# Altium PCB Einsy_Rambo-bu.PcbDoc (part 5 of 5)
Units mm, origin at the board's own origin, x right, y up, seen from the top; angles counter-clockwise.
Board outline 105 x 71 mm, 6 copper layers (Top, GND, Signal Layer 1, Supply, Signal Layer 2, Bottom), stack 1.571 mm thick; 439 components, 313 nets, 1472 pads, 965 vias.
Unrouted connection lines stored in the file: 3.
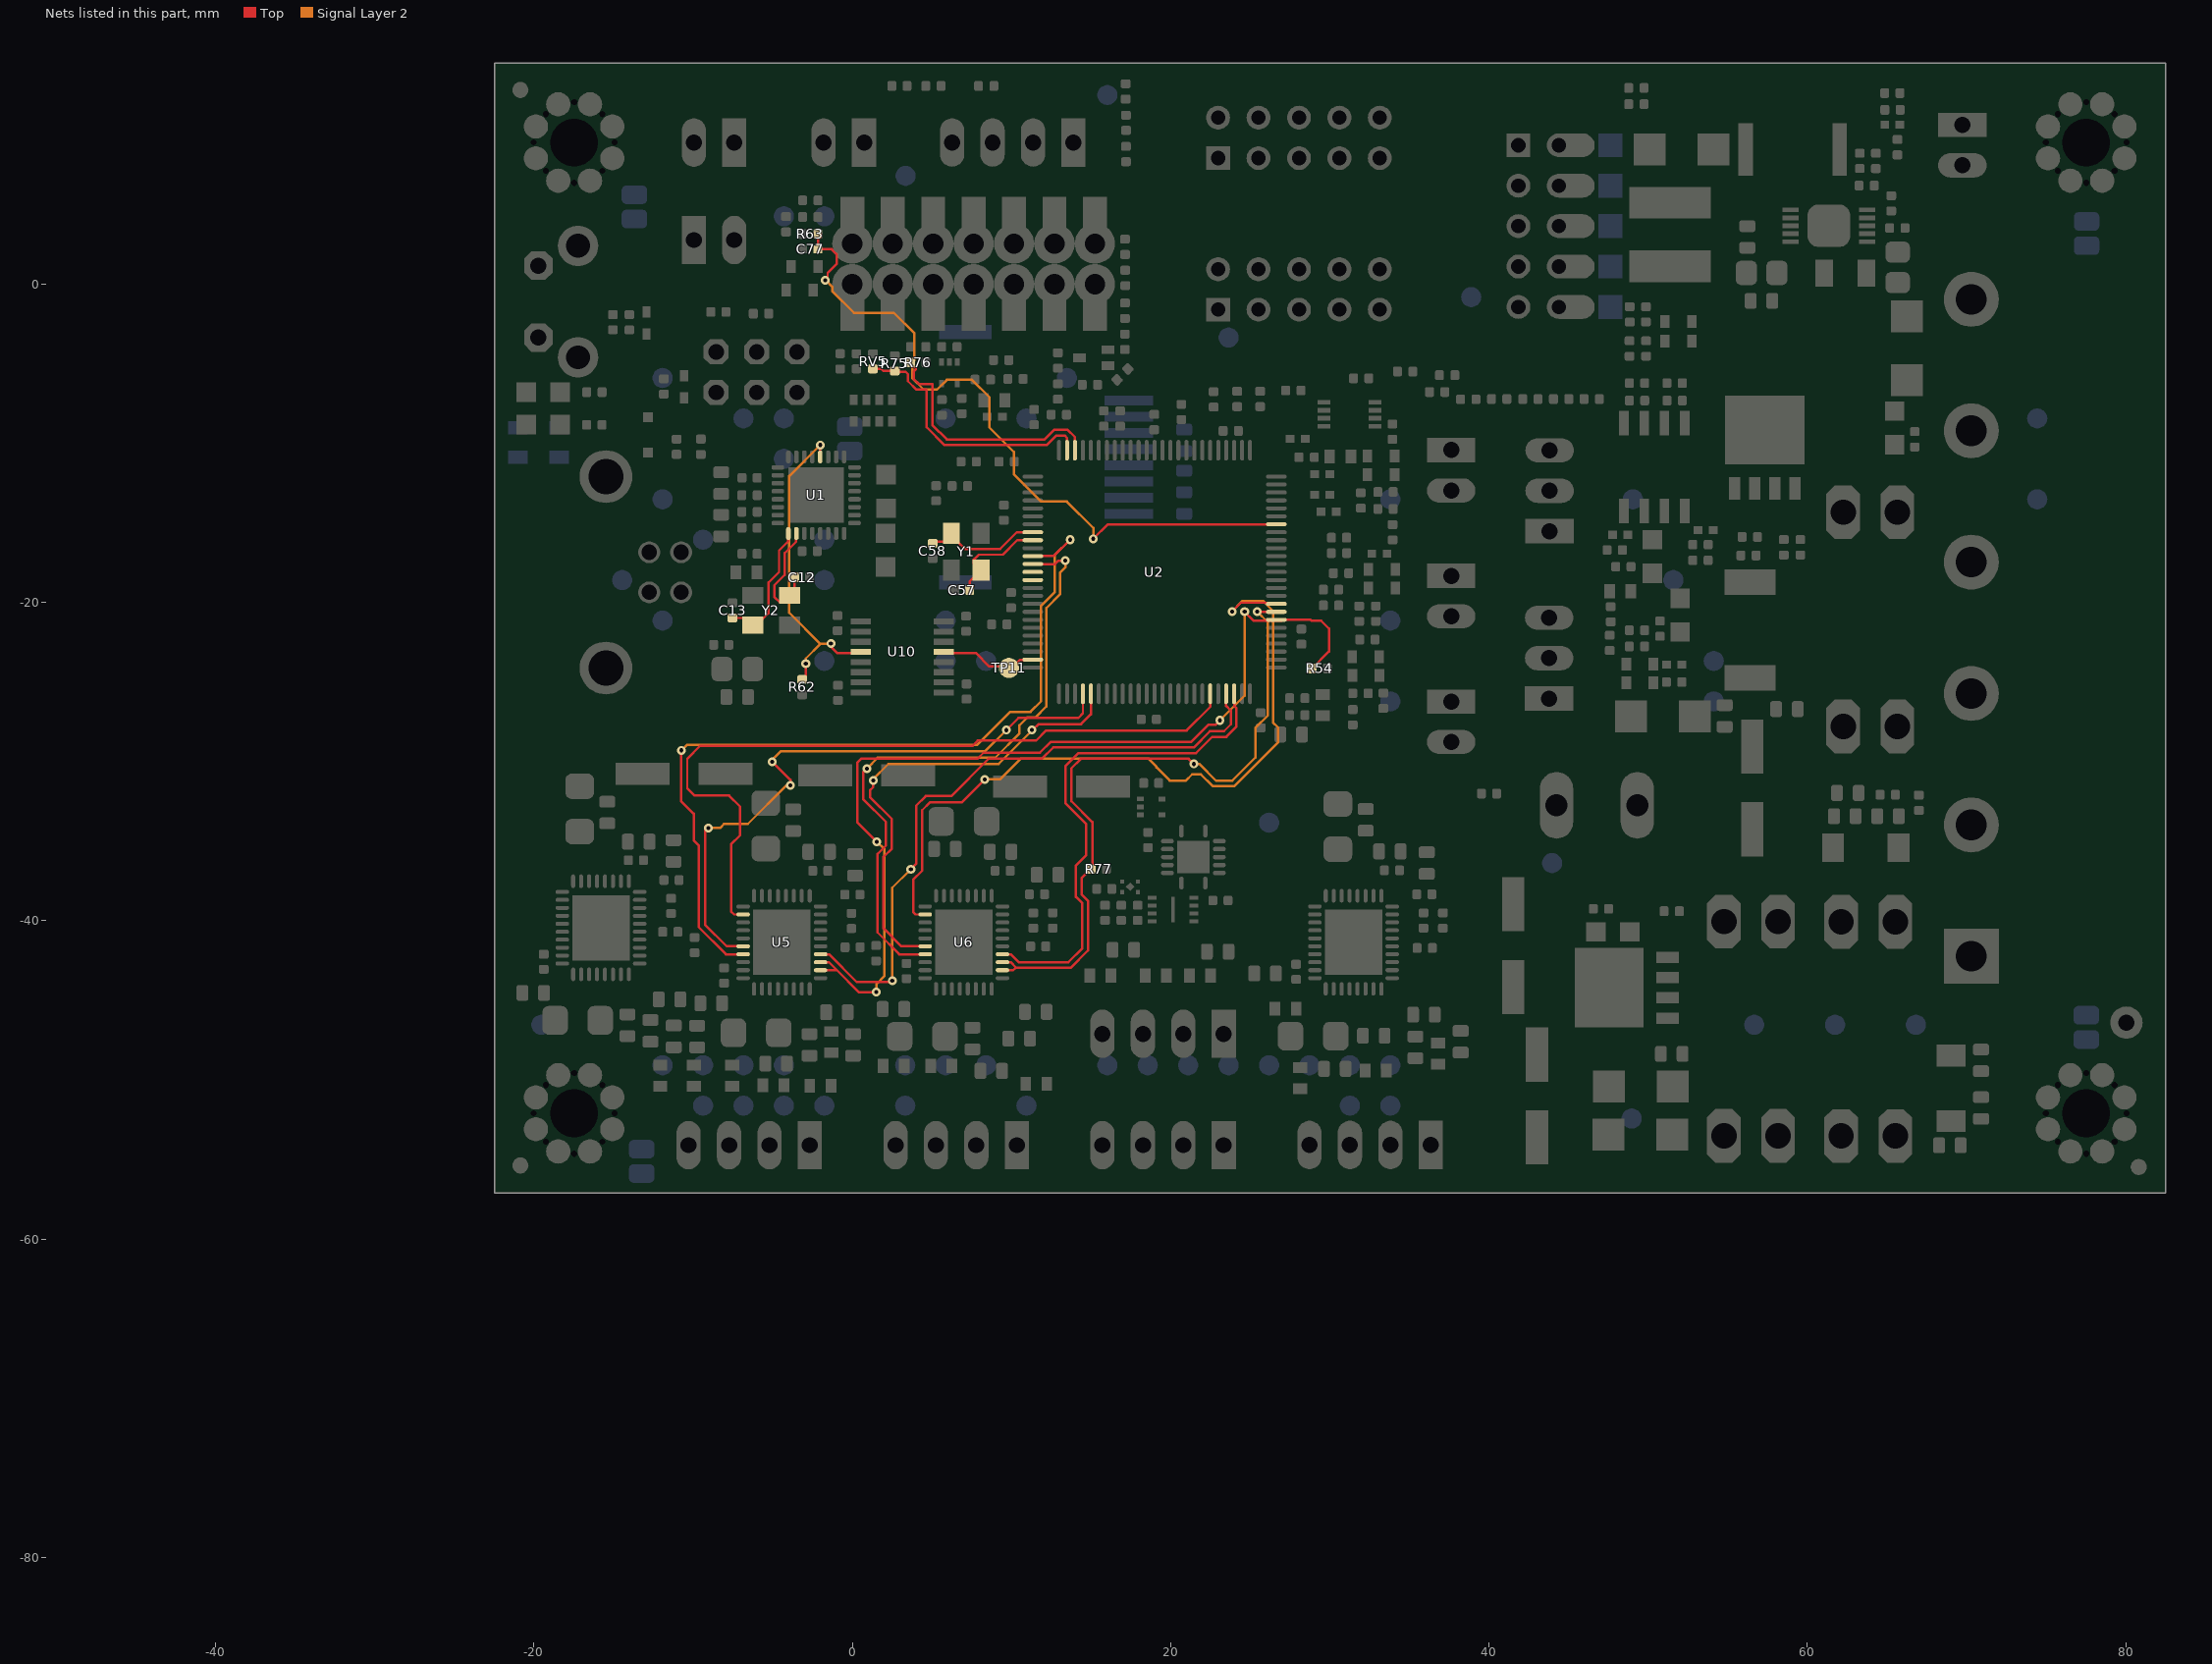
[diagram p9: the nets of this part, all layers, seen from the top]

## Via types
v1: diameter 0.559, hole 0.254, Top to Bottom, tented both sides, 359 vias
v2: diameter 0.559, hole 0.254, Top to Bottom, 326 vias
v3: diameter 0.762, hole 0.381, Top to Bottom, 230 vias
v4: diameter 0.762, hole 0.381, Top to Bottom, tented both sides, 42 vias
v5: diameter 0.737, hole 0.381, Top to Bottom, tented both sides, 4 vias
v6: diameter 0.813, hole 0.381, Top to Bottom, tented both sides, 4 vias

## Nets (pads, with @x,y where several pads share a name; then routed paths per layer and width w, separated by ;. In a path a pad name is that pad's centre, name@x,y a point inside that pad or via, vN(x,y) a via of type N, cw(c..) or ccw(c..) an arc to the next point about the centre after c; other vN are vias at no path point) (continued)
XT1: C13.1 U1.1 Y2.1 | length 8.3
  Top w0.152: C13.1@-7.525,-20.979 -6.712,-20.979 Y2.1@-6.262,-21.429 -6.011,-21.429 -5.264,-20.682 -5.264,-18.755 -4.604,-18.095 -4.604,-16.735 -4.02,-16.151 U1.1@-4.02,-15.665
XT2: C12.1 U1.2 Y2.3 | length 6.3
  Top w0.152: Y2.3@-4.54,-20.009 -4.909,-19.641 -4.909,-18.929 -4.248,-18.269 -4.248,-16.897 -3.537,-16.186 -3.537,-15.665 U1.2@-3.546,-15.674 ; Y2.3@-3.943,-19.564 -3.631,-19.252 C12.1@-3.631,-18.421
XTAL1: C57.1 U2.34 Y1.1 | length 6.3
  Top w0.152: C57.1@7.375,-19.229 7.375,-18.681 Y1.1@8.085,-17.971 7.639,-17.525 7.639,-17.304 7.944,-16.999 9.456,-16.999 10.364,-16.091 U2.34@10.987,-16.091
XTAL2: C58.1 U2.33 Y1.3 | length 6.6
  Top w0.152: C58.1@5.048,-16.295 5.157,-16.186 6.623,-16.186 7.08,-16.643 9.287,-16.643 10.339,-15.591 U2.33@10.987,-15.591
XTRA0: R62.1 U1.20 U10.4 | length 20.4
  Top w0.152: R62.1@-3.15,-24.844 -2.921,-24.615 v1(-2.921,-23.851) ; U1.20@-2.017,-10.852 -2.017,-10.12 v1(-2.007,-10.109) ; v1@-1.448,-22.606 -1.448,-22.682 -0.94,-23.19 0.438,-23.19 U10.4@0.521,-23.107
  Signal Layer 2 w0.152: v1(-2.921,-23.851) -2.921,-23.52 -2.007,-22.606 ; v1(-2.007,-10.109) -3.96,-12.063 -3.96,-20.653 -2.007,-22.606 ; v1@-1.448,-22.606 -2.007,-22.606
  other v1: -1.346,-22.581
XTRA_0: TP11.TP U2.49 U10.13 | length 5.7
  Top w0.152: U10.13@5.737,-23.107 5.802,-23.171 7.755,-23.171 8.606,-24.023 9.553,-24.023 TP11.TP@9.643,-24.113 ; TP11.TP@9.84,-24.12 10.013,-24.12 10.53,-23.603 U2.49@10.987,-23.603
XY-REF-PWM: U2.38
Y-DIR: U2.36 U5.7 | length 53
  Top w0.152: v1(-10.751,-29.293) -10.763,-29.305 -10.763,-32.48 -9.963,-33.28 -9.963,-34.957 -9.655,-35.265 -9.655,-40.396 -7.945,-42.106 U5.7@-6.851,-42.106 ; U2.36@10.987,-17.091 12.649,-17.091 v1(13.68,-16.06)
  Signal Layer 2 w0.152: v1(-10.751,-29.293) -10.725,-29.293 -10.395,-28.962 7.838,-28.962 9.93,-26.87 11.195,-26.87 11.86,-26.205 11.86,-20.215 12.705,-19.37 12.705,-17.034 v1(13.68,-16.06)
Y-EN: U2.72 U5.22 | length 40.8
  Top w0.152: U5.22@-2.001,-42.106 -1.468,-42.106 0.273,-43.847 2.432,-43.847 v1(2.508,-43.771) ; v1(3.677,-36.76) 4.007,-36.43 4.007,-32.772 4.616,-32.163 6.215,-32.163 8.551,-29.826 11.908,-29.826 12.623,-29.111 21.448,-29.111 22.469,-28.09 23.351,-28.09 23.784,-27.657 23.784,-26.797 23.487,-26.5 U2.72@23.487,-25.741
  Signal Layer 2 w0.152: v1(2.508,-43.771) 2.508,-37.929 v1(3.677,-36.76)
Y-STEP: U2.54 U5.6 | length 39.3
  Top w0.152: v1(-9.049,-34.169) -9.249,-34.369 -9.249,-40.243 -7.886,-41.606 U5.6@-6.851,-41.606 ; v1(-5.036,-30.004) -3.886,-31.153 v1(-3.886,-31.496) ; v1(9.671,-28.023) 10.433,-27.261 14.192,-27.261 14.487,-26.965 14.487,-26.092 U2.54@14.446,-26.133
  Signal Layer 2 w0.152: v1@-9.201,-34.068 v1@-9.049,-34.068 ; v1(-9.049,-34.169) -8.312,-34.169 -8.058,-33.915 -6.56,-33.915 -4.14,-31.496 v1(-3.886,-31.496) ; v1(-5.036,-30.004) -5.036,-29.902 -4.477,-29.343 8.35,-29.343 v1(9.671,-28.023)
Y_DIAG: R54.1 U2.82 U5.20 U5.21 | length 61.4
  Top w0.152: U5.20@-2.001,-43.106 -0.976,-43.106 ; U5.21@-2.001,-42.606 -1.476,-42.606 -0.976,-43.106 ; v1@1.416,-44.355 1.518,-44.456 1.518,-44.482 0.4,-44.482 -0.976,-43.106 ; v1(1.543,-35.033) 0.311,-33.801 0.311,-30.067 0.552,-29.826 7.859,-29.826 8.24,-29.445 11.786,-29.445 12.476,-28.755 21.301,-28.755 22.363,-27.692 22.818,-27.692 v1(23.1,-27.41) ; v1(24.652,-20.58) 24.652,-20.6 25.19,-21.139 26.963,-21.139 U2.82@26.988,-21.114 ; U2.82@26.637,-21.091 28.787,-21.091 28.854,-21.158 29.464,-21.158 29.947,-21.641 29.947,-23.078 R54.1@28.876,-24.149
  Signal Layer 2 w0.152: v1(1.543,-35.033) 2.026,-35.516 2.026,-43.466 1.518,-43.974 1.518,-44.482 v1@1.645,-44.482 ; v1(23.1,-27.41) 24.652,-25.858 v1(24.652,-20.58)
  other v1: 1.492,-44.482
Y_MIN: R75.1 RV5.2 U2.24 | length 16.2
  Top w0.152: RV5.2@1.295,-5.334 1.829,-5.334 1.953,-5.458 R75.1@2.667,-5.458 ; R75.1@2.921,-5.512 3.347,-5.512 3.496,-5.661 3.496,-6.099 4.031,-6.634 4.623,-6.634 4.674,-6.685 4.674,-8.996 5.792,-10.114 12.217,-10.114 12.82,-9.512 13.337,-9.512 13.487,-9.662 U2.24@13.487,-10.091
Y_nCS: U2.70 U5.2 | length 48
  Top w0.152: U5.2@-6.851,-39.606 -7.422,-39.606 -7.614,-39.415 -7.614,-35.198 -7.055,-34.639 -7.055,-32.823 -7.747,-32.131 -9.912,-32.131 -10.37,-31.674 -10.37,-29.826 -9.557,-29.013 7.554,-29.013 7.884,-28.683 11.542,-28.683 12.181,-28.044 21.006,-28.044 22.493,-26.557 U2.70@22.493,-26.092
Z-DIR: U2.37 U6.7 | length 40.3
  Top w0.152: v1(0.908,-30.436) 0.692,-30.652 0.692,-32.379 2.102,-33.788 2.102,-35.287 1.581,-35.808 1.581,-40.735 2.952,-42.106 U6.7@4.579,-42.106 ; U2.37@10.987,-17.591 12.734,-17.591 12.948,-17.378 12.95,-17.38 v1(13.38,-17.38)
  Signal Layer 2 w0.152: v1(0.908,-30.436) 1.594,-29.75 8.98,-29.75 10.5,-28.23 10.5,-27.72 10.99,-27.23 11.5,-27.23 12.19,-26.54 12.19,-20.352 13.044,-19.498 13.044,-18.136 13.38,-17.8 v1@13.38,-17.481 ; v1@13.38,-17.481 13.279,-17.38 v1(13.38,-17.38) v1@13.38,-17.481
Z-EN: U2.73 U6.22 | length 31.9
  Top w0.152: U6.22@9.429,-42.106 9.962,-42.106 10.458,-42.602 13.576,-42.602 14.45,-41.728 14.45,-38.9 14.05,-38.5 14.05,-36.525 14.7,-35.875 14.7,-33.925 13.407,-32.632 13.407,-30.268 14.209,-29.466 21.595,-29.466 22.616,-28.446 23.499,-28.446 24.14,-27.804 24.14,-26.65 23.991,-26.501 U2.73@23.991,-25.741
Z-REF-PWM: U2.39
Z-STEP: U2.55 U6.6 | length 29.7
  Top w0.152: v1(1.313,-31.18) 1.313,-31.606 1.111,-31.807 1.111,-32.239 2.483,-33.611 2.483,-35.465 1.962,-35.986 1.962,-40.481 3.087,-41.606 U6.6@4.579,-41.606 ; v1(11.291,-28.02) 11.325,-28.02 11.703,-27.642 14.37,-27.642 14.987,-27.024 U2.55@14.987,-26.092
  Signal Layer 2 w0.152: v1(1.313,-31.18) 1.313,-31.151 1.289,-31.127 2.26,-30.156 9.188,-30.156 11.291,-28.054 v1(11.291,-28.02)
Z_DIAG: R77.1 U2.83 U6.20 U6.21 | length 43.7
  Top w0.152: U6.20@9.429,-43.106 10.107,-43.106 10.255,-42.958 10.306,-42.958 ; U6.21@9.429,-42.606 9.954,-42.606 10.306,-42.958 ; v1(21.45,-30.15) 21.122,-29.822 14.356,-29.822 13.762,-30.416 13.762,-32.484 15.075,-33.797 15.075,-36.65 14.406,-37.319 14.406,-38.353 14.806,-38.753 14.806,-41.876 13.723,-42.958 10.306,-42.958 ; v1(25.439,-20.58) 26.963,-20.58 U2.83@26.988,-20.606
  Signal Layer 2 w0.152: v1(21.45,-30.15) 21.8,-30.15 22.85,-31.2 23.873,-31.2 25.32,-29.753 25.32,-27.89 26.097,-27.113 26.097,-21.238 v1(25.439,-20.58)
Z_MIN: R76.1 U2.23 | length 15.4
  Top w0.152: R76.1@3.66,-4.928 4.001,-5.269 4.001,-5.339 3.851,-5.489 3.851,-5.951 4.179,-6.279 5.011,-6.279 5.029,-6.297 5.029,-8.848 5.94,-9.759 12.07,-9.759 12.673,-9.156 13.531,-9.156 13.987,-9.612 U2.23@13.987,-10.091
Z_nCS: U2.84 U6.2 | length 48.4
  Top w0.152: U6.2@4.579,-39.606 3.983,-39.606 3.826,-39.449 3.826,-37.424 4.388,-36.862 4.388,-33.052 4.87,-32.569 6.877,-32.569 v1(8.325,-31.121) ; v1(23.864,-20.58) 23.864,-20.56 24.403,-20.022 26.029,-20.022 26.105,-20.098 U2.84@26.988,-20.098 ; U2.84@26.988,-20.072 U2.84@27.171,-20.072
  Signal Layer 2 w0.152: v1(8.325,-31.121) 9.279,-31.121 10.6,-29.8 18.579,-29.8 19.108,-30.329 19.108,-30.358 19.945,-31.195 20.955,-31.195 21.35,-30.8 21.9,-30.8 22.63,-31.53 24.01,-31.53 26.76,-28.78 26.76,-27.87 26.427,-27.537 26.427,-20.53 25.807,-19.91 24.515,-19.91 23.864,-20.56 v1(23.864,-20.58)
Z_THERM: C77.1 R63.2 U2.94 | length 44.8
  Top w0.152: R63.2@-2.159,3.15 -2.159,2.192 C77.1@-2.167,2.184 -1.295,2.184 -0.991,1.88 -0.991,1.27 -1.549,0.711 -1.549,0.457 v2@-1.753,0.254 ; v2(15.142,-16) 16.051,-15.091 U2.94@26.988,-15.091
  Signal Layer 2 w0.152: v2(-1.702,0.229) -1.657,0.229 -1.265,-0.163 -1.265,-0.431 0.114,-1.81 2.61,-1.81 3.9,-3.1 3.9,-4.8 3.76,-4.94 3.76,-5.902 4.48,-6.622 5.327,-6.622 5.939,-6.01 7.51,-6.01 8.61,-7.11 8.61,-9.006 10.144,-10.54 10.144,-11.944 11.86,-13.66 13.48,-13.66 15.142,-15.322 v2(15.142,-16)
pads on no net: D16. FID1.1 FID2.1 FID3.1 H1.0 H2.0 H3.0 H4.0 J2. J3. J4. J5. J6. J7. J8. J9. J10. J11. J12. J13. J14. J15. J16. P3. U4. U5. U6. U7. U10. U13.

## Polygon pours and split planes (outlines as drawn)
GND on Top "Top GND large pour" (solid, remove dead copper, pour order 180): -22.227,-56.847 82.269,-56.847 82.269,13.649 -22.227,13.649
GND on Top "XTAL" (solid, pour order 174): 9.823,-19.691 4.566,-19.691 4.566,-14.154 9.823,-14.154
GND on Top "Top-MotorThermal" (solid, pour order 154): -20.579,-34.371 -18.904,-32.696 38.627,-32.696 41.521,-35.59 41.521,-45.699 38.852,-48.368 -16.948,-48.368 -20.579,-44.737
GND on Top "Direct-Connect" (solid, pour order 144): 33.734,-34.439 33.734,-36.871 34.157,-37.294 34.563,-37.294 34.842,-37.014 34.905,-36.951 34.905,-34.869 34.905,-34.766 34.233,-34.093 34.08,-34.093
GND1 on Top "Top-GND1" (solid, remove dead copper, pour order 115): -21.504,-27.026 0.82,-27.026 1.621,-26.224 1.621,-19.774 2.762,-18.633 2.762,-6.814 -2.14,-6.814 -2.165,-3.562 -3.004,-2.724 -9.829,-2.724 -13.054,-5.949 -13.029,-5.974 -13.029,-10.099 -21.504,-10.099
GND1 on Top "Top-CryGND1" (solid, pour order 113): -4.654,-15.299 -4.654,-17.599 -5.604,-18.549 -7.254,-18.549 -8.379,-19.674 -8.379,-23.049 -7.004,-24.424 -3.904,-24.424 -3.429,-23.949 -3.429,-23.199 -3.104,-22.874 -3.104,-19.074 -2.029,-17.999 -2.729,-17.299 -2.729,-15.249
GND on Top "Top-GND-ICoupler" (solid, pour order 109): 3.121,-18.699 1.921,-19.899 1.921,-26.399 0.821,-27.499 0.821,-27.899 1.121,-28.199 7.321,-28.199 8.821,-26.699 8.821,-21.299 7.921,-20.399 5.121,-20.399 3.421,-18.699
PWR-IN on Top "24mil" (solid, pour order 166): 64.484,-36.811 64.484,-34.83 65.068,-34.246 65.068,-33.103 66.542,-33.103 74.187,-40.748 74.187,-44.685 74.187,-47.377 73.069,-48.495 70.606,-48.495 70.606,-49.359 69.894,-50.07 68.472,-50.07 67.812,-49.409 67.812,-39.3 65.729,-37.217 64.941,-37.217 64.865,-37.217 64.484,-36.836
+12V3 on Top "50mil" (solid, pour order 160): 64.179,-12.249 65.17,-11.259 65.17,-10.065 66.643,-8.592 67.837,-8.592 69.285,-7.144 69.539,-6.229 69.793,-5.975 70.987,-5.975 73.425,-5.975 75.609,-8.16 75.609,-13.24 73.857,-14.992 73.501,-15.348 68.32,-15.348 67.227,-16.44 67.227,-18.853 67.227,-19.869 61.563,-25.533 54.146,-25.533 53.791,-25.178 53.791,-22.866 54.426,-22.231 59.557,-22.231 60.065,-21.723 60.065,-13.214 61.03,-12.249
BED-OUT on Top "50mil" (solid, pour order 170): 64.814,-8.312 67.329,-8.312 68.802,-6.839 68.802,-6.179 69.666,-5.315 69.767,-5.213 70.377,-5.213 70.961,-5.213 71.241,-4.934 71.241,2.076 70.504,2.813 68.777,2.813 66.491,0.527 66.491,-2.292 64.814,-3.969
BED-IN on Top "50mil" (solid, pour order 163): 60.016,-28.884 60.016,-24.617 61.54,-23.093 73.173,-23.093 74.951,-24.871 74.951,-29.824 73.603,-31.172 61.187,-31.172 60.016,-30.001
VCC on Top "Direct Connect" (solid, remove dead copper, pour order 98): 55.501,-0.8 56.11,-1.409 56.571,-1.409 56.75,-1.23 56.75,1.081 56.441,1.39 54.63,1.39 53.97,2.05 53.63,2.05 53.53,1.95 53.53,-0.46 53.87,-0.8
VMOT on Top "Direct Connect" (solid, remove dead copper, pour order 99): 63.16,1.05 63.16,2.03 63.43,2.3 64.805,2.3 64.872,2.367 64.872,2.55 65.32,2.55 65.43,2.44 65.43,1.762 64.718,1.05
no net on Top "Direct Connect" (solid, remove dead copper, pour order 184): 63.23,2.26
NetC40_2 on Top "SMPS" (solid, pour order 111): 48.832,4.109 54.082,4.109 54.261,3.93 54.261,3.187 54.426,3.016 55.137,3.016 57.727,3.016 57.727,3.133 54.21,6.65 51.629,6.65 50.387,7.892 50.387,8.909 49.756,9.54 48.79,9.54 48.46,9.21 48.46,4.481
NetC66_1 on Top "Direct-Connect" (solid, pour order 159): -6.661,-37.573 -6.483,-37.395 -6.001,-37.395 -5.696,-37.395 -5.645,-37.344 -5.645,-36.659 -5.975,-36.328 -6.585,-36.328 -7.22,-36.963 -7.22,-37.395 -7.042,-37.573
GND on Top "Direct-Connect" (solid, pour order 146): -1.353,-37.116 -0.997,-36.76 -0.997,-36.379 -0.997,-34.246 -1.099,-34.144 -1.378,-34.144 -1.683,-34.449 -1.683,-34.982 -1.861,-35.16 -1.861,-36.938 -1.683,-37.116
GND on Top "Direct-Connect" (solid, pour order 132): -5.264,-33.865 -3.321,-33.865 -2.336,-32.88 -2.336,-32.068 -2.496,-31.909 -3.537,-31.909 -3.816,-32.188 -4.223,-32.188 -4.655,-31.756 -6.128,-31.756 -6.483,-32.112 -6.483,-33.585 -6.204,-33.865
GND on Top "Direct-Connect" (solid, pour order 128): 10.128,-37.217 10.509,-36.836 10.509,-36.43 10.509,-36.405 11.322,-35.592 11.322,-35.16 10.865,-34.703 10.433,-34.703 10.052,-35.084 9.696,-35.084 9.519,-35.262 9.519,-37.192 9.62,-37.294 10.052,-37.294
VMOT on Top "VMOT-Y" (solid, pour order 103): -2.927,-34.703 -2.927,-32.823 -2.318,-32.214 -2.318,-31.071 -0.006,-31.071 -0.006,-32.391 -1.759,-34.144 -1.759,-34.703
no net on Top "FAN0 Q8 DRN" (solid, pour order 106): 48.177,-13.494 48.177,-15.018 50.082,-15.018 50.057,-15.018 50.057,-13.494
BED-OUT on Top "Direct-Connect" (solid, pour order 157): 54.975,-11.706 64.113,-11.706 64.814,-11.005 64.814,-8.312 66.897,-8.312 66.897,-3.181 54.096,-3.181 53.257,-4.02 53.257,-6.153 53.257,-7.423 53.257,-11.36 54.629,-11.36
no net on Top "FAN1 Q8 DRN" (solid, pour order 107): 50.717,-13.494 50.717,-15.018 52.597,-15.018 52.597,-13.494 51.632,-13.494
NetC115_1 on Top "Direct-Connect" (solid, pour order 153): 3.016,-46.057 5.81,-46.057 5.912,-45.955 5.912,-45.297 5.839,-45.224 3.112,-45.224 3.016,-45.32
NetC114_1 on Top "Direct-Connect" (solid, pour order 152): 7.614,-45.244 7.614,-45.955 7.741,-46.082 8.96,-46.082 8.96,-45.472 8.731,-45.244
NetC119_2 on Top "Direct-Connect" (solid, pour order 147): 31.032,-44.99 31.591,-44.99 31.947,-45.345 31.947,-46.082 32.211,-46.346 32.502,-46.346 32.455,-46.59 32.455,-47.047 32.455,-47.708 31.363,-47.936 31.022,-48.241 29.576,-48.241 29.53,-48.194 29.432,-48.097 29.432,-46.514 29.839,-46.107 29.889,-46.107 30.397,-46.107 30.499,-46.006 30.499,-45.447 30.956,-44.99
NetC116_2 on Top "Direct-Connect" (solid, pour order 143): 6.547,-44.99 7.106,-44.99 7.461,-45.345 7.461,-46.082 7.726,-46.346 8.017,-46.346 8.222,-46.551 8.222,-47.051 8.222,-47.199 8.017,-47.404 7.143,-47.404 6.912,-47.635 6.912,-47.85 6.394,-48.368 5.218,-48.368 5.044,-48.194 4.947,-48.097 4.947,-46.514 5.353,-46.107 5.404,-46.107 5.912,-46.107 6.013,-46.006 6.013,-45.447 6.471,-44.99
X_0B2 on Top "Direct-Connect" (solid, pour order 135): -15.17,-44.736 -15.17,-45.041 -15.043,-45.168 -13.799,-45.168 -13.316,-45.65 -13.316,-46.631 -13.214,-46.733 -12.166,-46.733 -12.166,-46.558 -12.166,-45.988 -12.224,-45.752 -12.402,-45.752 -13.418,-44.736
NetC102_2 on Top "Direct Connect" (solid, pour order 123): -16.135,-43.847 -15.983,-43.847 -15.653,-44.177 -15.323,-44.507 -15.323,-45.193 -14.992,-45.523 -13.799,-45.523 -13.672,-45.65 -13.672,-46.184 -13.9,-46.412 -14.535,-46.412 -14.865,-46.742 -14.865,-47.174 -15.069,-47.377 -16.44,-47.377 -16.72,-47.098 -16.72,-44.431
GND on Top "Direct-Connect" (solid, pour order 156): 53.715,-12.427 53.715,-11.69 54.527,-11.69 54.934,-12.097 58.312,-12.097 58.464,-12.249 58.464,-13.519 58.845,-13.9 58.845,-14.535 58.363,-15.018 55.239,-15.018 54.654,-14.434 53.74,-14.434 53.74,-13.748
VMOT on Top "VMOT-Z" (solid, pour order 102): 9.95,-34.525 9.95,-31.96 12.211,-31.96 12.211,-34.779 9.976,-34.779
NetC87_1 on Top "24mil" (solid, pour order 164): 52.673,-41.231 54.324,-42.882 58.591,-42.882 59.734,-41.739 59.938,-41.535 59.938,-37.954 61.893,-35.998 61.893,-32.391 61.462,-32.391 56.864,-36.989 53.334,-36.989 52.673,-37.649
GND on Top "Direct Connect" (solid, pour order 121): -15.582,-33.083 -14.916,-32.417 -14.916,-32.112 -14.916,-31.782 -15.323,-31.375 -15.932,-30.766 -16.77,-30.766 -17.837,-30.766 -18.599,-31.528 -18.599,-33.083
GND on Top "SMPS" (solid, pour order 112): 58.24,4.69 59.233,5.683 61.182,5.683 62.452,6.953 62.452,10.077 58.517,10.077 57.94,9.5 57.94,4.69
GND on Top "Direct-Connect" (solid, pour order 124): 17.443,-31.68 17.443,-30.664 17.697,-30.41 17.697,-30.055 17.469,-29.826 16.097,-29.826 15.97,-29.953 15.97,-30.867 16.58,-31.477
VMOT on Top "Direct-Connect" (solid, pour order 125): 9.366,-31.858 9.366,-32.925 10.103,-33.661 10.225,-33.784 10.225,-34.403 11.063,-34.403 11.618,-34.957 12.236,-34.957 12.643,-34.957 12.795,-34.804 12.795,-32.366 12.033,-31.604
GND on Top "Direct-Connect" (solid, pour order 133): -6.89,-31.426 -5.899,-31.426 -5.594,-31.121 -5.594,-30.029 -5.772,-29.851 -6.89,-29.851 -7.22,-30.182
GND on Top "Direct-Connect" (solid, pour order 140): -8.668,-46.209 -8.668,-47.32 -8.668,-47.955 -8.668,-48.19 -7.271,-48.19 -6.712,-48.19 -6.28,-47.758 -6.28,-46.59 -6.661,-46.209
GND on Top "Direct-Connect" (solid, pour order 142): 1.467,-48.317 4.108,-48.317 4.413,-48.012 4.413,-46.565 4.134,-46.285 4.007,-46.158 2.584,-46.158 1.899,-46.158 0.908,-47.149 0.781,-47.276 0.781,-48.114 0.883,-48.114 1.086,-48.317
GND on Top "Direct-Connect" (solid, pour order 149): 27.781,-48.089 26.537,-48.089 26.105,-47.657 26.105,-46.793 26.308,-46.59 27.756,-46.59 27.781,-46.615
GND on Top "Direct-Connect" (solid, pour order 155): 5.023,-31.579 6.064,-31.579 6.496,-31.147 6.496,-30.791 6.14,-30.436 5.886,-30.182 4.997,-30.182
VMOT on Top "VMOT-X" (solid, pour order 104): -14.611,-34.271 -14.611,-31.223 -11.64,-31.223 -13.214,-32.798 -13.214,-34.271
NetC99_2 on Top "Direct Connect" (solid, pour order 118): -16.135,-36.989 -15.577,-36.43 -15.551,-36.405 -15.551,-36.125 -15.551,-35.617 -15.678,-35.49 -16.923,-35.49 -16.999,-35.566 -16.999,-36.125 -16.745,-36.379
X_0A1 on Top "Direct Connect" (solid, pour order 119): -18.269,-36.582 -16.72,-36.582 -17.126,-36.176 -17.126,-35.516 -17.151,-35.49 -18.32,-35.49 -18.371,-35.541 -18.371,-36.481
X_0A2 on Top "Direct Connect" (solid, pour order 120): -15.145,-36.633 -14.916,-36.405 -14.916,-36.049 -14.916,-35.363 -14.789,-35.236 -14.789,-34.779 -14.992,-34.576 -15.881,-34.576 -15.983,-34.677 -15.983,-35.185 -15.907,-35.262 -15.602,-35.262 -15.399,-35.465 -15.399,-36.633
NetC99_2 on Top "Direct Connect" (solid, pour order 122): -15.932,-35.516 -16.237,-35.211 -16.237,-34.83 -16.237,-34.525 -16.059,-34.347 -15.475,-34.347 -14.942,-34.347 -14.84,-34.246 -14.84,-33.407 -14.942,-33.306 -14.967,-33.331 -17.38,-33.331 -17.812,-33.331 -18.294,-33.814 -18.294,-34.931 -18.015,-35.211 -17.075,-35.211 -16.999,-35.287 -16.999,-35.648 -16.725,-35.922 -16.186,-35.922 -15.932,-35.668
NetC113_2 on Top "Direct-Connect" (solid, pour order 126): 6.725,-37.751 6.979,-37.751 7.309,-37.421 7.36,-37.37 7.36,-36.582 7.233,-36.455 6.826,-36.455 6.064,-36.455 5.886,-36.633 5.886,-37.421 6.14,-37.675 6.217,-37.751 6.394,-37.751
NetC112_1 on Top "Direct-Connect" (solid, pour order 129): 4.769,-37.573 4.947,-37.395 5.429,-37.395 5.734,-37.395 5.785,-37.344 5.785,-36.659 5.455,-36.328 4.845,-36.328 4.21,-36.963 4.21,-37.395 4.388,-37.573
NetC71_2 on Top "Direct-Connect" (solid, pour order 130): -4.705,-37.751 -4.451,-37.751 -4.121,-37.421 -4.07,-37.37 -4.07,-36.582 -4.197,-36.455 -4.604,-36.455 -5.366,-36.455 -5.544,-36.633 -5.544,-37.421 -5.29,-37.675 -5.213,-37.751 -5.036,-37.751
X_0B1 on Top "Direct-Connect" (solid, pour order 134): -17.786,-44.888 -17.558,-45.117 -16.948,-45.117 -16.847,-45.015 -16.847,-44.99 -16.847,-44.304 -16.948,-44.202 -17.532,-44.202 -17.786,-44.456
NetC107_1 on Top "Direct-Connect" (solid, pour order 139): -5.53,-45.117 -5.53,-46.009 -5.623,-46.103 -6.641,-46.103 -6.864,-45.879 -6.864,-45.422 -6.788,-45.345 -6.128,-45.345 -6.052,-45.269 -5.964,-45.182 -5.964,-45.12
NetC113_2 on Top "Direct-Connect" (solid, pour order 141): 5.074,-35.947 5.201,-35.947 6.064,-36.811 6.318,-36.557 6.496,-36.557 5.632,-35.693 5.353,-35.414
NetC82_2 on Top "Direct-Connect" (solid, pour order 145): 31.21,-37.751 31.464,-37.751 31.794,-37.421 31.845,-37.37 31.845,-36.582 31.718,-36.455 31.312,-36.455 30.55,-36.455 30.372,-36.633 30.372,-37.421 30.626,-37.675 30.702,-37.751 30.88,-37.751
NetC117_1 on Top "Direct-Connect" (solid, pour order 148): 32.15,-45.32 32.15,-45.955 32.226,-46.031 32.633,-46.031 32.887,-46.285 33.014,-46.412 33.344,-46.412 33.471,-46.285 33.471,-46.158 33.471,-45.523 33.268,-45.32
NetC80_1 on Top "Direct-Connect" (solid, pour order 151): 30.245,-36.76 30.245,-36.684 30.067,-36.506 29.178,-36.506 28.848,-36.836 28.823,-36.862 28.823,-37.294 28.899,-37.37 29.051,-37.37 30.245,-37.37
NetC108_2 on Top "Direct Connect" (solid, pour order 137): -4.772,-44.761 -4.62,-44.761 -4.289,-45.091 -4.02,-45.361 -4.02,-46.047 -3.629,-46.438 -2.435,-46.438 -2.308,-46.565 -2.308,-47.098 -2.537,-47.327 -3.172,-47.327 -3.502,-47.657 -3.502,-48.089 -3.705,-48.292 -5.077,-48.292 -5.356,-48.012 -5.356,-45.345
NetC106_1 on Top "Direct-Connect" (solid, pour order 138): -3.867,-45.269 -3.867,-45.98 -3.689,-46.158 -2.775,-46.158 -2.724,-46.107 -3.334,-45.498 -3.334,-45.32 -3.385,-45.269
NetD9_A on Top "SMPS" (solid, pour order 110): 57.804,3.67 57.804,7.588 57.804,8.833 56.559,10.077 53.689,10.077 53.08,9.468 53.08,7.207 53.384,6.902 54.108,6.902 57.34,3.67
NetC75_1 on Top "Direct-Connect" (solid, pour order 127): 7.461,-37.522 7.893,-37.522 8.045,-37.37 8.096,-37.319 8.096,-36.227 8.096,-35.265 7.67,-34.84 7.299,-34.84 6.979,-35.16 6.979,-35.922 7.461,-36.405
NetC65_1 on Top "Direct-Connect" (solid, pour order 131): -3.969,-37.522 -3.537,-37.522 -3.385,-37.37 -3.334,-37.319 -3.334,-36.227 -3.334,-35.265 -3.76,-34.84 -4.131,-34.84 -4.451,-35.16 -4.451,-35.922 -3.969,-36.405
NetC78_1 on Top "Direct-Connect" (solid, pour order 150): 31.947,-37.522 32.379,-37.522 32.531,-37.37 32.582,-37.319 32.582,-36.227 32.582,-35.265 32.156,-34.84 31.785,-34.84 31.464,-35.16 31.464,-35.922 31.947,-36.405
NetC85_1 on Top "24mil" (solid, pour order 136): 70.987,-53.27 70.987,-50.756 68.548,-50.756 67.075,-49.282 67.075,-41.586 67.354,-41.307 67.354,-40.088 64.941,-37.675 62.046,-37.675 61.741,-37.979 61.741,-48.774 63.468,-50.502 65.424,-50.502 68.193,-53.27
VCC on Supply "Power" (solid, remove dead copper, pour order 117): 1.93,-6.655 0.559,-6.655 -0.711,-6.655 -0.711,-3.835 -1.981,-2.565 -9.855,-2.565 -11.684,-4.42 -11.684,-8.89 -21.292,-8.89 -21.292,3.626 -20.428,4.489 -15.754,4.489 -15.704,4.439 -12.986,7.156 -12.986,10.408 -10.446,12.948 23.387,12.948 81.568,12.948 81.568,0.593 81.568,-6.585 81.568,-11.69 81.568,-29.343 81.568,-32.01 81.568,-34.474 81.568,-35.592 81.568,-36.379 81.568,-36.887 81.568,-37.217 81.568,-37.757 81.568,-38.31 81.567,-47.189 81.57,-55.632 67.38,-55.632 67.38,-51.075 63.494,-47.189 44.917,-47.189 43.937,-46.209 -16.923,-46.209 -21.495,-41.637 -21.495,-28.81 -19.844,-27.159 2.407,-27.159 4.286,-25.279 4.286,-20.974 3.55,-20.237 3.55,-8.274
VMOT on Supply "Power" (solid, remove dead copper, pour order 116): -11.481,-34.036 -11.278,-34.138 -11.176,-34.373 -11.176,-35.903 -10.058,-37.084 -10.058,-39.573 -10.446,-40.037 -10.446,-44.507 -9.938,-45.015 -9.277,-45.015 -8.312,-44.05 -8.312,-38.233 -4.985,-34.906 -3.588,-34.906 -3.003,-34.322 -1.023,-34.322 -0.895,-34.449 -0.705,-34.449 1.306,-36.46 1.321,-40.284 1.01,-40.799 1.01,-44.736 1.391,-45.117 2.762,-45.117 3.975,-43.904 3.975,-36.462 5.353,-35.084 10.389,-35.084 11.108,-34.525 13.252,-34.525 13.252,-39.91 14.218,-40.875 23.717,-40.875 29.381,-35.211 32.379,-35.211 33.268,-34.322 33.268,-34.119 33.572,-33.814 34.157,-33.814 34.868,-34.525 36.163,-34.525 37.535,-35.897 37.535,-39.834 41.523,-43.821 44.952,-47.25 63.544,-47.25 67.38,-51.086 67.38,-55.15 66.897,-55.632 46.78,-55.632 -12.275,-55.632 -13.748,-54.159 -13.748,-50.476 -15.704,-48.52 -19.742,-48.52 -21.012,-47.25 -21.012,-43.313 -20.276,-42.577 -20.276,-36.532 -18.142,-34.398 -14.764,-34.398 -14.611,-34.246 -14.611,-33.687 -13.976,-33.052 -13.57,-33.052 -13.316,-33.306 -13.316,-34.036
NetD6_A on Supply "Extruder NetD6_A" (solid, pour order 105): 45.027,-47.069 45.027,-41.885 49.352,-41.885 49.352,-47.071
USBVCC on Supply "Top-USBVCC" (solid, remove dead copper, pour order 108): 3.067,-8.128 1.854,-6.915 -0.997,-6.915 -0.997,-3.893 -1.657,-3.232 -2.038,-2.851 -9.633,-2.851 -11.411,-4.629 -11.405,-8.992 -21.006,-8.992 -21.006,-27.254 2.261,-27.254 4.591,-24.924 4.591,-20.631 3.067,-19.107
GND on Bottom "BOT GND large pour" (solid, remove dead copper, pour order 181): -22.227,-56.847 82.269,-56.847 82.269,13.649 -22.227,13.649
+12V2 on Bottom "Direct Connect" (solid, pour order 169): 47.803,-29.921 46.025,-31.699 46.025,-34.874 44.806,-36.093 43.104,-36.093 41.885,-37.135 41.885,-40.824 43.707,-40.824 46.958,-44.304 52.8,-50.146 52.8,-53.524 53.384,-54.108 59.506,-54.108 59.938,-53.677 59.938,-49.079 55.494,-41.995 54.101,-41.995 53.283,-41.078 53.283,-37.675 52.165,-37.675 52.165,-29.921
NetD6_A on Bottom "Extruder HeatSink Bot" (solid, pour order 100): 49.352,-41.986 40.481,-41.986 40.481,-56.826 47.923,-56.826 47.923,-51.111 47.949,-51.137 49.352,-51.137
BED-OUT on Bottom "BedOut Bottom Heatsink" (solid, pour order 179): 61.03,-16.84 61.03,-12.503 68.476,-12.503 68.476,-0.133 51.562,-0.133 51.562,-6.172 45.739,-6.172 45.739,-16.84
GND1 on Bottom "Top-GND1" (solid, pour order 114): 3.071,-8.67 3.057,-8.67 0.991,-6.649 -2.14,-6.649 -2.14,-3.639 -3.054,-2.724 -9.829,-2.724 -13.054,-5.949 -13.029,-5.974 -13.029,-10.099 -21.504,-10.099 -21.504,-26.949 0.896,-26.949 1.621,-26.224 1.621,-19.774 3.071,-18.324
NetC87_1 on Bottom "Direct Connect" (solid, pour order 165): 53.689,-41.815 55.645,-42.069 56.051,-42.907 58.566,-42.907 59.938,-41.535 59.938,-38.665 61.233,-37.37 61.544,-37.059 61.544,-33.985 60.909,-33.35 59.487,-33.35 55.848,-36.989 53.689,-36.989
GND on Bottom "Direct Connect" (solid, pour order 173): 69.367,-36.373 71.679,-36.373 73.527,-34.525 74.136,-33.915 74.136,-31.401 68.497,-31.401 67.812,-32.087 67.634,-32.264 67.634,-33.687 67.634,-34.639
GND on Bottom "Direct Connect" (solid, pour order 172): 66.415,-18.244 67.862,-16.796 72.942,-16.796 72.942,-18.777 71.393,-20.326 67.989,-20.326 66.415,-18.752
PWR-IN on Bottom "Direct Connect" (solid, pour order 167): 66.624,-37.122 66.624,-34.569 66.878,-34.315 67.234,-34.315 69.647,-36.728 72.479,-36.728 74.187,-38.437 74.187,-44.685 74.187,-47.377 73.069,-48.495 70.606,-48.495 70.606,-49.359 69.894,-50.07 68.472,-50.07 67.812,-49.409 67.812,-42.272 67.812,-38.31
BED-IN on Bottom "Direct Connect" (solid, pour order 162): 59.988,-28.912 59.988,-24.644 61.512,-23.12 73.146,-23.12 74.924,-24.898 74.924,-29.521 73.4,-31.045 68.37,-31.046 67.888,-31.528 61.487,-31.528 59.988,-30.029
+12V3 on Bottom "Direct Connect" (solid, pour order 161): 60.039,-13.341 61.157,-12.224 61.639,-11.741 64.789,-11.741 67.227,-11.741 68.015,-10.954 68.015,-7.957 69.082,-6.89 70.021,-5.95 71.876,-5.95 75.584,-9.658 75.584,-12.122 72.282,-15.424 68.98,-15.424 68.066,-16.339 66.491,-17.913 61.055,-17.913 60.039,-16.897
BED-OUT on Bottom "Direct Connect" (solid, pour order 171): 67.38,0.298 67.38,-2.267 66.211,-3.435 66.211,-7.449 66.897,-8.134 69.92,-5.112 71.799,-5.112 73.247,-3.664 73.247,-1.911 73.247,0.679 71.825,2.102 69.056,2.102 67.354,0.4
NetC85_1 on Bottom "Direct Connect" (solid, pour order 175): 71.114,-53.092 71.825,-52.381 71.825,-51.594 70.987,-50.756 68.548,-50.756 65.881,-48.089 65.881,-38.614 64.941,-37.675 62.046,-37.675 61.741,-37.979 61.741,-45.168 62.655,-46.082 62.655,-47.733 65.424,-50.502 68.015,-53.092
GND on Signal Layer 1 "BOT GND large pour" (solid, remove dead copper, pour order 183): -22.227,-56.847 82.269,-56.847 82.269,13.649 -22.227,13.649
GND1 on Signal Layer 1 "Top-GND1" (solid, pour order 178): -21.504,-27.574 0.271,-27.574 1.621,-26.224 1.621,-19.774 3.071,-18.324 3.071,-6.649 -2.14,-6.649 -2.14,-3.639 -3.054,-2.724 -9.829,-2.724 -13.054,-5.949 -13.029,-5.974 -13.029,-10.099 -21.504,-10.099
uC_Vcc on Signal Layer 1 "uC Vcc" (solid, pour order 176): 9.021,-13.158 11.141,-15.278 11.141,-22.21 11.411,-22.48 11.411,-24.932 12.551,-26.072 12.551,-28.765 18.681,-28.765 23.361,-24.15 30.215,-24.15 30.215,-11.55 25.829,-11.55 22.029,-7.75 21.081,-7.75 20.551,-7.22 12.531,-7.193 12.174,-7.538 11.401,-7.538 11.051,-7.189 9.021,-7.182
NetD6_A on Signal Layer 1 "NetD6_A" (solid, remove dead copper, pour order 101): 45.592,-43.616 45.592,-46.405 45.898,-46.711 49.189,-46.711 49.682,-46.217 49.682,-38.252 46.634,-35.204 46.634,-30.023 46.05,-29.439 44.171,-29.439 43.205,-30.404 43.205,-34.976 44.298,-36.068 44.298,-42.224 45.455,-43.381
GND on Signal Layer 2 "SIG2 GND large pour" (solid, remove dead copper, pour order 182): -22.227,-56.847 82.269,-56.847 82.269,13.649 -22.227,13.649
GND1 on Signal Layer 2 "Sig2-GND1" (solid, pour order 177): 3.071,-8.583 1.137,-6.649 -2.14,-6.649 -2.14,-3.639 -3.054,-2.724 -9.829,-2.724 -13.054,-5.949 -13.029,-5.974 -13.029,-10.099 -21.504,-10.099 -21.504,-26.746 1.099,-26.746 1.621,-26.224 1.621,-19.774 3.071,-18.324
BED-OUT on Signal Layer 2 "Direct-Connect" (solid, pour order 158): 52.445,-7.271 52.445,-10.776 53.054,-11.386 54.553,-11.386 56.585,-13.418 59.404,-13.418 61.436,-11.386 66.719,-11.386 67.507,-10.598 67.507,-4.337 66.148,-2.978 54.07,-2.978 53.105,-3.943 53.105,-6.209 52.441,-6.873
NetD6_A on Signal Layer 2 "Extruder NetD6_A" (solid, pour order 168): 46.552,-41.942 48.99,-41.942 49.346,-41.942 49.346,-46.666 45.028,-46.666 45.028,-41.942
GND on GND (split plane): 82.265,-56.843 -22.223,-56.843 -22.223,-27.601 -21.828,-27.206 4.039,-27.206 4.088,-27.196 4.13,-27.168 4.613,-26.685 4.641,-26.643 4.651,-26.594 4.651,-20.218 4.641,-20.169 4.613,-20.127 3.35,-18.865 3.35,-6.624 3.341,-6.575 3.313,-6.533 3.271,-6.505 3.221,-6.495 -1.884,-6.495 -1.884,-3.562 -1.893,-3.513 -1.921,-3.471 -2.887,-2.506 -2.929,-2.478 -2.978,-2.468 -9.887,-2.468 -9.937,-2.478 -9.979,-2.506 -13.147,-5.674 -13.175,-5.716 -13.185,-5.766 -13.185,-9.834 -22.223,-9.834 -22.223,13.645 82.265,13.645
GND1 on GND (split plane): -2.142,-3.616 -2.142,-6.624 -2.133,-6.674 -2.105,-6.716 -2.063,-6.744 -2.013,-6.754 3.092,-6.754 3.092,-18.918 3.101,-18.968 3.129,-19.01 4.392,-20.272 4.392,-26.54 3.985,-26.947 -21.881,-26.947 -21.931,-26.957 -21.973,-26.985 -22.223,-27.235 -22.223,-10.093 -13.056,-10.093 -13.006,-10.083 -12.964,-10.055 -12.936,-10.013 -12.926,-9.963 -12.926,-5.819 -9.833,-2.727 -3.032,-2.727

## Keep-outs
Supply:
  circle w0.254: c63.29,8.934 r0.349

## Other copper
Top:
  region net GND: 45.739,-48.508 45.739,-51.695 49.092,-51.695 49.092,-48.508
  region net GND: 45.714,-52.33 45.714,-55.277 49.219,-55.277 49.219,-52.33
  rectangle net VMOT: 50.286,-55.353 53.41,-52.026
  rectangle net GND: 41.472,-55.277 44.571,-51.899
  rectangle net VMOT: 41.446,-50.121 44.571,-46.692
  rectangle net GND: 39.973,-45.853 43.072,-42.45
  rectangle net +12V2: 40.735,-40.621 43.986,-37.268
  rectangle net GND: 54.985,-35.947 58.083,-32.544
  rectangle net GND: 54.026,-20.403 58.75,-18.415
  pour cut-out: 56.559,10.077 62.623,10.077 63.24,9.46 63.61,9.46 63.61,10.12 63.12,10.61 60.77,10.61 60.58,10.42 56.643,10.42 56.559,10.336
  pour cut-out: 51.197,9.62 51.197,7.498 53.029,7.498 53.029,9.62
  pour cut-out: 48.65,4.109 48.65,2.14 54.06,2.14 54.06,4.109
  pour cut-out: 48.39,4.075
  pour cut-out: -8.236,-16.491 -10.674,-16.491 -10.7,-16.516 -11.64,-15.577 -11.64,-12.986 -10.649,-11.995 -4.68,-11.995 -4.121,-12.554 -4.121,-14.84 -4.578,-15.297 -7.068,-15.297
  pour cut-out: -21.504,-27.755 -22.472,-27.755 -22.479,-27.762 -22.479,-9.906 -21.516,-9.906 -21.504,-9.918
Supply:
  rectangle net GND: -17.246,-42.449 -14.332,-38.435
  rectangle net GND: -5.883,-43.363 -2.969,-39.349
  rectangle net GND: 5.547,-43.363 8.461,-39.349
  rectangle net GND: 30.033,-43.363 32.947,-39.349
Bottom:
  pour cut-out: -12.319,-11.633 -9.042,-11.633 -7.95,-12.725 -7.95,-16.688 -9.881,-18.618 -13.564,-18.618 -14.757,-17.424 -14.757,-13.437 -12.929,-11.608
  pour cut-out: -21.504,-27.755 -22.472,-27.755 -22.479,-27.762 -22.479,-9.906 -21.516,-9.906 -21.504,-9.918
GND (plane layer: these items are gaps in the copper):
  lines w0.254: -22.479,-27.674 -21.881,-27.076 4.039,-27.076 4.521,-26.594 4.521,-20.218 3.221,-18.918 3.221,-6.624 -2.013,-6.624 -2.013,-3.562 -2.978,-2.597 -9.887,-2.597 -13.056,-5.766 -13.056,-9.963 -22.479,-9.963

## Silkscreen, mask and mechanical layers (free items; w line width, h text height)
Top Overlay:
  circle w0.127: c-19.577,-25.957 r1.067
  lines w0.203: 33.228,-15.812 34.143,-16.117 ; 33.249,-32.08 33.63,-31.699 ; 33.63,-33.706 33.63,-31.699 ; 34.011,-32.08 33.63,-31.699 ; 48.336,-39.751 48.641,-38.71 ; 63.748,-1.657 65.424,-1.759 ; -17.92,-3.454 -17.92,1.295 -16.447,1.295 -16.447,-3.454 -17.92,-3.454
  lines w0.254: 33.811,-26.015 34.763,-26.015 34.763,-24.007 ; 33.811,-18.115 34.763,-18.115 34.763,-16.107 ; 33.811,-10.215 34.763,-10.215 34.763,-8.207 ; 34.053,-26.015 34.053,-24.008 ; 34.053,-18.115 34.053,-16.108 ; 34.053,-10.215 34.053,-8.208 ; 34.287,-26.015 34.287,-24.014 ; 34.287,-18.115 34.287,-16.114 ; 34.287,-10.215 34.287,-8.214 ; 34.536,-26.015 34.536,-24.007 ; 34.536,-18.115 34.536,-16.107 ; 34.536,-10.215 34.536,-8.207 ; 46.641,-26.994 46.641,-24.986 47.593,-24.986 ; 46.666,-16.478 46.666,-14.47 47.619,-14.47 ; 46.868,-26.994 46.868,-24.986 ; 46.894,-16.478 46.894,-14.47 ; 47.117,-26.987 47.117,-24.986 ; 47.142,-16.471 47.142,-14.47 ; 47.351,-26.992 47.351,-24.986 ; 47.376,-16.477 47.376,-14.47
  text "X-MIN" at -10.084,12.954 h0.81
  text "Y-MIN" at -2.235,12.954 h0.81
  text "Z-PROBE" at 7.341,12.954 h0.81
  text "5V" at -14.478,4.14 h1.02
  text "BED" at 60.674,-2.394 h1.02
  text "RESET" at -16.726,-3.15 h0.89 r90
  text "Open Source" at 53.638,-3.918 h0.81
  text "Hardware" at 53.664,-5.315 h0.81
  text "ACT" at -17.094,-8.001 h0.64
  text "BED OUT" at 82.315,-8.134 h1.27 r90
  text "ICSP-U1" at -6.585,-9.1 h0.81
  text "FAN1" at 48.02,-9.12 h0.64 r90
  text "PWR" at -17.094,-10.084 h0.64
  text "+        -" at 82.315,-10.319 h1.27 r90
  text "T0" at 30.39,-12.5 h0.91
  text "TX" at 3.835,-13.894 h0.81 r90
  text "T1" at 31.52,-16.04 h0.91
  text "RX" at 3.835,-17.323 h0.81 r90
  text "FAN0" at 48.47,-20.66 h0.64
  text "s" at -14.992,-24.009 h0.81
  text "-" at -16.516,-24.289 h0.81
  text "BED IN" at 82.315,-25.279 h1.27 r90
  text "+      -" at 82.315,-26.575 h1.27 r90
  text "U" at -20.11,-26.77 h1.52
  text "UltiMachine" at -17.99,-26.89 h0.91
  text "Motors" at 4.261,-27.718 h1.27
  text "EXTRUDER" at 42.945,-30.334 h1.02
  text "T2" at 31.5,-31.12 h0.91
  text "1.2b" at -20.276,-31.3 h1.02 r90
  text "Therm" at 34.214,-33.909 h1.27
  text "HEAT-0" at 46.609,-38.379 h0.64
  text "PWR IN" at 82.417,-41.764 h1.27 r90
  text "+      -" at 82.315,-42.958 h1.27 r90
  text "EINSY RAMBo" at -20.276,-43.006 h1.02 r90
  text "X MOTOR" at -9.347,-56.998 h0.81
  text "Y MOTOR" at 3.55,-57.004 h0.81
  text "Z MOTOR 1+2" at 15.615,-57.004 h0.81
  text "E MOTOR" at 29.508,-57.055 h0.81
Bottom Overlay:
  lines w0.203: -8.966,-9.373 -7.772,-8.357 ; -5.105,-9.881 -4.674,-9.296
  text "ZMIN" at 20.041,10.947 h0.81
  text "YMIN" at 7.214,4.47 h0.81
  text "Z-THERM" at 3.556,3.505 h0.64
  text "XMIN" at -5.207,0.203 h0.81 r270
  text "5V" at 37.719,-1.092 h0.81
  text "RESET2" at -13.284,-4.115 h0.89 r270
  text "SCK" at 12.475,-6.25 h0.81
  text "MOSI" at 25.044,-6.248 h0.81
  text "USB" at 4.225,-7.825 h0.89
  text "BED-" at 78.353,-8.871 h0.81
  text "BOOT" at 4.975,-9.125 h0.89
  text "EN" at 3.975,-10.425 h0.89
  text "SCK2" at -5.385,-11.125 h0.81
  text "MISO2" at -9.449,-11.354 h0.81
  text "MISO" at 5.4,-12.425 h0.81 r270
  text "FAN1" at 48.412,-12.7 h0.81
  text "BED+" at 78.327,-13.976 h0.81
  text "D+" at -12.802,-14.072 h0.81
  text "nRESET" at 9.881,-14.326 h0.89 r270
  text "TX0-I" at 0.8,-15.25 h0.81
  text "MOSI2" at -5.817,-15.418 h0.81 r270
  text "THERMISTOR 0" at 32.436,-16.104 h0.81
  text "D-" at -5.944,-18.669 h0.81
  text "FAN0" at 50.59,-18.98 h0.81
  text "GND1" at -15.418,-20.041 h0.81
  text "RX0-I" at -2.75,-21.275 h0.81
  text "THERMISTOR 1" at 33.02,-22.301 h0.81
  text "RST-IO" at 2.45,-22.325 h0.89 r270
  text "12V2" at 57.836,-25.324 h0.81
  text "DTR" at 1.27,-25.375 h0.81
  text "TX0" at 3.505,-26.467 h0.81 r270
  text "RX0" at 8.611,-26.695 h0.89 r270
  text "USBVCC" at -12.649,-26.797 h0.81 r270
  text "THERMISTOR 2" at 32.893,-27.28 h0.81
  text "Z1B" at 15.284,-44.253 h0.81 r270
  text "Z2B" at 17.85,-44.253 h0.81 r270
  text "Z2A" at 22.955,-44.304 h0.81 r270
  text "Z1A" at 20.65,-44.348 h0.81 r270
  text "X1B" at -19.787,-45.288 h0.81 r270
  text "E1A" at 30.632,-47.955 h0.81 r270
  text "X2B" at -12.243,-47.981 h0.81
  text "X1A" at -11.582,-48.057 h0.81 r270
  text "E2B" at 27.737,-48.057 h0.81 r270
  text "Y1A" at 5.207,-48.082 h0.81 r270
  text "E1B" at 25.171,-48.082 h0.81 r270
  text "Y2B" at 2.337,-48.108 h0.81 r270
  text "X2A" at -7.696,-48.184 h0.81 r270
  text "Y1B" at -4.42,-48.184 h0.81 r270
  text "GND" at 60.223,-49.454 h0.81 r270
  text "E2A" at 34.842,-49.536 h0.81 r270
  text "Y2A" at 9.373,-49.657 h0.81 r270
  text "BED-IN" at 66.567,-51.848 h0.81 r270
  text "PWR-IN" at 56.077,-52 h0.81 r270
  text "GND" at 50.032,-53.397 h0.81 r270
Bottom Solder:
  region: 62.784,-12.564 62.784,-16.095 65.095,-16.095 65.095,-12.564
  region: 62.784,-26.026 62.784,-29.557 65.095,-29.557 65.095,-26.026
  region: 62.657,-51.756 62.657,-55.287 64.968,-55.287 64.968,-51.756
  region: 55.289,-51.746 55.289,-55.277 57.601,-55.277 57.601,-51.746
  region: 62.657,-38.294 62.657,-41.825 64.968,-41.825 64.968,-38.294
  region: 55.289,-38.284 55.289,-41.815 57.601,-41.815 57.601,-38.284
Dimension:
  the board outline again, w0.203
PCB Document:
  lines w0.254: 53.584,2.236 53.584,6.236 59.584,6.236 59.584,2.236 53.584,2.236 ; 55.221,-11.974 64.783,-11.974 64.783,-3.008 55.221,-3.008 55.221,-11.974
  text "Bot Silk" at 58.671,2.601 h0.81
  text "UL" at 58.95,-7.874 h0.76
  text "Bot Silk" at 63.396,-10.699 h1.02
Scratch:
  circle w1.067: c46.314,1.826 r0.508
  circle w1.067: c46.314,4.338 r0.508
  circle w1.067: c46.314,6.851 r0.508
  circle w1.067: c46.314,9.363 r0.508
  circle w1.067: c46.314,11.876 r0.508
  lines w0.051: 23.393,-6.756 26.695,-6.756 ; 49.759,-5.258 53.569,-5.258
  lines w0.102: 10.687,-24.543 15.97,-24.543 26.41,-24.543 ; 10.687,-23.755 15.97,-23.755 26.41,-23.755 ; 11.585,-12.428 22.024,-12.428 27.308,-12.428 ; 11.585,-11.641 22.024,-11.641 27.308,-11.641 ; 12.537,-25.513 12.537,-15.074 12.537,-9.791 ; 13.324,-25.513 13.324,-15.074 13.324,-9.791 ; 14.112,-25.513 14.112,-15.074 14.112,-9.791 ; 15.97,-22.968 26.41,-22.968 ; 23.864,-26.411 23.864,-21.128 23.864,-10.689 ; 24.652,-26.411 24.652,-21.128 24.652,-10.689 ; 25.439,-26.411 25.439,-21.128 25.439,-10.689
  lines w0.254: -13.68,8.901 15.061,8.901 ; -1.473,-3.048 17.551,-3.048
  text "was TP32" at 35.966,-1.778 h0.64
  text "tp37" at 11.43,-13.818 h1.27 r90
  text "tp27" at 8.915,-13.995 h1.27 r90
  text "tp34" at 6.147,-14.529 h1.27 r90
Outline:
  lines w0.254: -22.485,-57.106 82.518,-57.106 82.518,13.887 -22.485,13.887 -22.485,-57.106

## Dimensions
82.521,-57.099 to 82.521,13.901 on Top Document
82.521,13.901 to -22.479,13.901 on Top Document

## Text inside footprints (layer, text, board x,y; h text height)
J1: Top Overlay "1" at 80.334,-48.495 h1.52 r90
J2: Top Document "1" at 36.033,-8.842 h1.57 r270
J3: Top Document "1" at 36.033,-16.742 h1.57 r270
J4: Top Document "1" at 45.396,-17.113 h1.57 r90
J5: Top Document "1" at 45.371,-27.629 h1.57 r90
J6: Top Document "1" at 36.033,-24.642 h1.57 r270
J7: Top Document "1" at -11.544,1.181 h1.57
J13: Top Document "1" at -5.829,10.477 h1.57 r180
J14: Top Document "1" at 2.324,10.477 h1.57 r180
J16: Top Document "1" at 68.154,11.589 h1.57 r270
X13: Top Overlay "2" at 44.291,-38.691 h1.97; Top Overlay "1" at 51.632,-38.691 h1.97